# Altium PCB HV_DAC_8ch-DIOT.PCBDOC (part 2 of 11)
Units mm, origin at the board's own origin, x right, y up, seen from the top; angles counter-clockwise.
Board outline 222.63 x 100.1 mm, 8 copper layers (L1, L2, L3, P4, L5, L6, P7, L8), stack 1.563 mm thick; 971 components, 607 nets, 3066 pads, 1424 vias.
Unrouted connection lines stored in the file: 1.
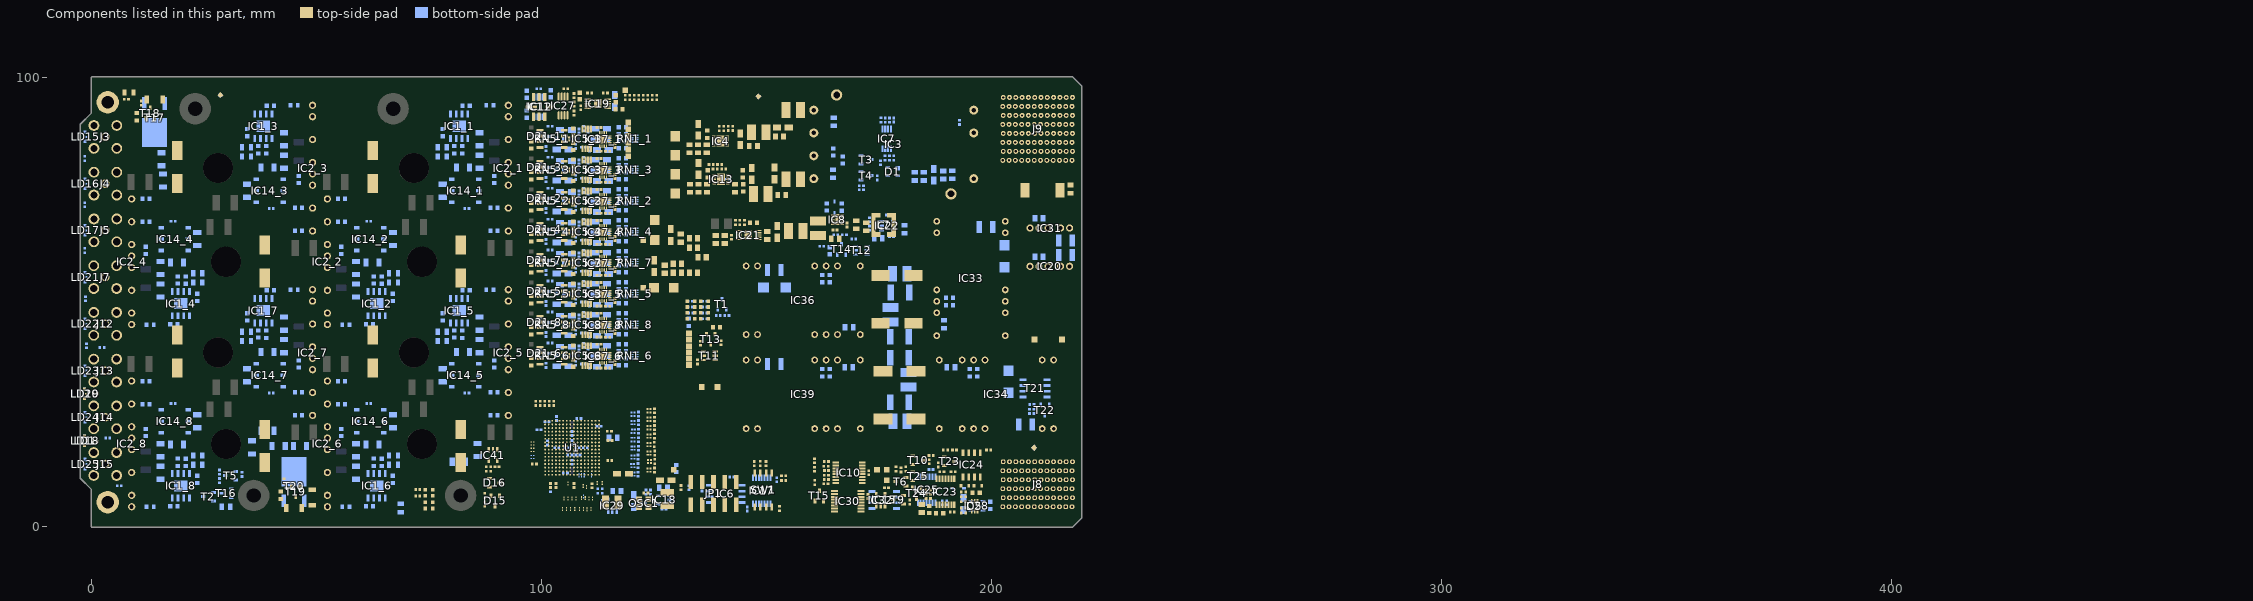
[diagram p8: the components of this part, seen from the top]

## Components (designator, comment, footprint, x,y, rotation, side; value= is the part's Value field where it differs from the comment) (continued)
C114 "1uF" CAPC1608X87N 130,13 r90 bottom
C115 "100nF" CAPC1005X55N 101.2,23.4 r0 bottom
C116 "100nF" CAPC1005X55N 172.593,6.764 r90 top
C117 "1uF" CAPC1608X87N 144.8,75.4 r90 top
C118 "10uF" CAPMP3216X180N 134.9,79.6 r270 top
C119 "10uF" CAPC2012X145N 133.8,64.2 r0 top
C120 "10uF" CAPC2012X145N 131,64.2 r270 top
C121 "22uF" CAPC2012X135N 174.871,64.216 r180 bottom
C122 "100nF" CAPC1005X55N 110.7,96.5 r180 top
C123 "22uF" CAPC2012X135N 180.696,66.191 r270 bottom
C124 "1uF" CAPMP3216X180N 128.7,64.9 r270 top
C125 "4.7uF" CAPAE9383X100M#1 179.6,34.6 r180 top locked
C126 "100nF" CAPC1005X55N 105.4,97.4 r180 top
C127 "4.7uF" CAPAE9383X100M#1 179.6,24 r180 top locked
C128 "4.7uF" CAPAE9383X100M#1 19,80 r90 top
C129 "4.7uF" CAPAE9383X100M#1 38.5,59 r270 top
C130 "4.7uF" CAPAE9383X100M#1 62.5,39 r90 top
C131 "4.7uF" CAPAE9383X100M#1 82,18 r270 top
C132 "470nF" CAPC4532X185N 179.6,37.6 r0 bottom
C133 "470nF" CAPC4532X185N 179.6,27.7 r0 bottom
C134 "10uF" CAPMP6032X280N 202.9,60.2 r270 bottom
C135 "47uF" CAPC3225X270N 198.8,66.7 r0 bottom
C136 "4.7nF" CAPC2012X135N 189.48,45.05 r270 bottom
C137 "47uF" CAPC3225X270N 207.6,22.8 r0 bottom
C138_1 "10uF" CAPMP3216X180N 113.634,83.796 r180 bottom (schematic designator C138)
C138_2 "10uF" CAPMP3216X180N 113.634,70.023 r180 bottom (schematic designator C138)
C138_3 "10uF" CAPMP3216X180N 113.634,76.91 r180 bottom (schematic designator C138)
C138_4 "10uF" CAPMP3216X180N 113.634,63.137 r180 bottom (schematic designator C138)
C138_5 "10uF" CAPMP3216X180N 113.634,49.364 r180 bottom (schematic designator C138)
C138_6 "10uF" CAPMP3216X180N 113.634,35.59 r180 bottom (schematic designator C138)
C138_7 "10uF" CAPMP3216X180N 113.634,56.25 r180 bottom (schematic designator C138)
C138_8 "10uF" CAPMP3216X180N 113.634,42.477 r180 bottom (schematic designator C138)
C139 "10uF" CAPC1608X80N 108.5,95.8 r90 top
C140 "10uF" CAPC1608X80N 116.5,95.2 r90 top
C141 "10uF" CAPMP3216X180N 116.3,94.7 r90 bottom
C142_1 "100nF" CAPC1005X55N 110.667,84.017 r90 bottom (schematic designator C142)
C142_2 "100nF" CAPC1005X55N 110.667,70.244 r90 bottom (schematic designator C142)
C142_3 "100nF" CAPC1005X55N 110.667,77.131 r90 bottom (schematic designator C142)
C142_4 "100nF" CAPC1005X55N 110.667,63.358 r90 bottom (schematic designator C142)
C142_5 "100nF" CAPC1005X55N 110.667,49.584 r90 bottom (schematic designator C142)
C142_6 "100nF" CAPC1005X55N 110.667,35.811 r90 bottom (schematic designator C142)
C142_7 "100nF" CAPC1005X55N 110.667,56.471 r90 bottom (schematic designator C142)
C142_8 "100nF" CAPC1005X55N 110.667,42.698 r90 bottom (schematic designator C142)
C143_1 "100nF" CAPC1005X55N 110.311,88.245 r90 bottom (schematic designator C143)
C143_2 "100nF" CAPC1005X55N 110.311,74.472 r90 bottom (schematic designator C143)
C143_3 "100nF" CAPC1005X55N 110.311,81.358 r90 bottom (schematic designator C143)
C143_4 "100nF" CAPC1005X55N 110.311,67.585 r90 bottom (schematic designator C143)
C143_5 "100nF" CAPC1005X55N 110.311,53.812 r90 bottom (schematic designator C143)
C143_6 "100nF" CAPC1005X55N 110.311,40.039 r90 bottom (schematic designator C143)
C143_7 "100nF" CAPC1005X55N 110.311,60.698 r90 bottom (schematic designator C143)
C143_8 "100nF" CAPC1005X55N 110.311,46.925 r90 bottom (schematic designator C143)
C144 "4.7nF" CAPC2012X135N 191,35.5 r180 bottom
C149 "1uF" CAPC1608X87N 96.7,91.8 r270 bottom
C150 "10uF" CAPMP6032X280N 151.8,53.2 r0 bottom
C151 "47uF" CAPC3225X270N 151.7,57.1 r180 bottom
C152 "100nF" CAPC1005X55N 107.2,92 r270 top
C153 "4.7nF" CAPC2012X135N 168.37,44.4 r0 bottom
C154_1 "100nF" CAPC1005X55N 108.355,88.016 r270 bottom (schematic designator C154)
C154_2 "100nF" CAPC1005X55N 108.355,74.243 r270 bottom (schematic designator C154)
C154_3 "100nF" CAPC1005X55N 108.355,81.13 r270 bottom (schematic designator C154)
C154_4 "100nF" CAPC1005X55N 108.355,67.356 r270 bottom (schematic designator C154)
C154_5 "100nF" CAPC1005X55N 108.355,53.583 r270 bottom (schematic designator C154)
C154_6 "100nF" CAPC1005X55N 108.355,39.81 r270 bottom (schematic designator C154)
C154_7 "100nF" CAPC1005X55N 108.355,60.47 r270 bottom (schematic designator C154)
C154_8 "100nF" CAPC1005X55N 108.355,46.697 r270 bottom (schematic designator C154)
C155 "22uF" CAPC2012X135N 134.9,75.3 r90 top
C156 "10uF" CAPMP6032X280N 203.8,32.3 r90 bottom
C157 "47uF" CAPC3225X270N 151.7,36.2 r180 bottom
C158 "4.7nF" CAPC2012X135N 168.31,35.5 r0 bottom
C160 "4.7uF" CAPAE9383X100M#2 179,45.3 r180 top
C161 "4.7uF" CAPAE9383X100M#2 179,55.9 r180 top
C162 "4.7uF" CAPAE9383X100M#1 62.5,80 r270 top
C163 "470nF" CAPC4532X185N 179.6,42.3 r180 bottom
C164 "470nF" CAPC4532X185N 179.7,52.1 r180 bottom
C165 "4.7uF" CAPAE9383X100M#1 82,59 r90 top
C166 "4.7uF" CAPAE9383X100M#1 38.5,18 r90 top
C167 "10uF" CAPC1608X80N 102,96.3 r90 bottom
C168 "4.7uF" CAPAE9383X100M#1 19,39 r270 top
C170 "100nF" CAPC1005X55N 90.1,13.4 r0 top
C257 "1uF" CAPC1005X55N 127.25,4 r180 bottom
C258 "10uF" CAPC2012X135N 127.1,8.75 r180 bottom
D1 "PRTR5V0U2X" SOT190P230X110-4N 178.086,79.013 r180 bottom
D3 "CDBU0520-HF" SOD-523F 194.1,9.2 r0 top
D4 "BAT165" SOD2512X110N 165.136,71.063 r270 bottom
D5 "PESD3V3L5UY" SOT65P210X110-6N 196.3,4.6 r270 top
D6 "P6SMB33A" DIOM5436X261N 127.2,53.2 r0 top
D7 "BAT165" SOD2512X110N 192.6,8.6 r0 bottom
D8 "SMBJ12A" DIOM5336X265N 129.7,76.3 r270 top
D9 "SMBJ12A" DIOM5336X265N 129.7,84.75 r90 top
D10 "P6SMB33A" DIOM5436X261N 125.2,66 r270 top
D11 "BZV55-B8V2" DIOMELF3515N 14,95 r0 top
D12 "BZV55-B8V2" DIOMELF3515N 49.017,6.532 r90 top
D13 "BZV55-B8V2" DIOMELF3515N 45,4.25 r0 top
D15 "BZX84C4V7" SOT95P240X130-3N 89.7,5.8 r270 top
D16 "BZX84C4V7" SOT95P240X130-3N 89.6,9.8 r0 top
D17 "CDBU0520-HF" SOD-523F 197,9.2 r180 top
D21_1 "BAV199" SOT95P240X110-3N 100.592,86.819 r0 bottom (schematic designator D21)
D21_2 "BAV199" SOT95P240X110-3N 100.592,73.046 r0 bottom (schematic designator D21)
D21_3 "BAV199" SOT95P240X110-3N 100.592,79.932 r0 bottom (schematic designator D21)
D21_4 "BAV199" SOT95P240X110-3N 100.592,66.159 r0 bottom (schematic designator D21)
D21_5 "BAV199" SOT95P240X110-3N 100.592,52.386 r0 bottom (schematic designator D21)
D21_6 "BAV199" SOT95P240X110-3N 100.592,38.613 r0 bottom (schematic designator D21)
D21_7 "BAV199" SOT95P240X110-3N 100.592,59.273 r0 bottom (schematic designator D21)
D21_8 "BAV199" SOT95P240X110-3N 100.592,45.5 r0 bottom (schematic designator D21)
FTG1 "Use only in PCB" FIDUCIAL_TOP_C100-200 28.6,96 r90 bottom
FTG2 "Use only in PCB" FIDUCIAL_TOP_S100-200 28.6,96 r90 top
FTG3 "Use only in PCB" FIDUCIAL_TOP_S100-200 209.5,17.6 r90 top
FTG4 "Use only in PCB" FIDUCIAL_TOP_S100-200 209.5,17.6 r90 bottom
FTG5 "Use only in PCB" FIDUCIAL_TOP_S100-200 148.2,95.7 r90 bottom
FTG6 "Use only in PCB" FIDUCIAL_TOP_S100-200 148.2,95.7 r90 top
IC1_1 "OPA455IDDA" SOIC127P600X170-9N-R249X300 81.665,89.086 r90 bottom (schematic designator IC1)
IC1_2 "OPA455IDDA" SOIC127P600X170-9N-R249X300 63.335,49.66 r270 bottom (schematic designator IC1)
IC1_3 "OPA455IDDA" SOIC127P600X170-9N-R249X300 38.165,89.086 r90 bottom (schematic designator IC1)
IC1_4 "OPA455IDDA" SOIC127P600X170-9N-R249X300 19.835,49.66 r270 bottom (schematic designator IC1)
IC1_5 "OPA455IDDA" SOIC127P600X170-9N-R249X300 81.665,48.086 r90 bottom (schematic designator IC1)
IC1_6 "OPA455IDDA" SOIC127P600X170-9N-R249X300 63.335,9.16 r270 bottom (schematic designator IC1)
IC1_7 "OPA455IDDA" SOIC127P600X170-9N-R249X300 38.165,48.086 r90 bottom (schematic designator IC1)
IC1_8 "OPA455IDDA" SOIC127P600X170-9N-R249X300 19.835,9.16 r270 bottom (schematic designator IC1)
IC2_1 "PA95" APEX_PA95_hflip 92.611,79.776 r90 top locked (schematic designator IC2)
IC2_2 "PA95" APEX_PA95_hflip 52.389,58.97 r270 top locked (schematic designator IC2)
IC2_3 "PA95" APEX_PA95_hflip 49.111,79.776 r90 top locked (schematic designator IC2)
IC2_4 "PA95" APEX_PA95_hflip 8.889,58.97 r270 top locked (schematic designator IC2)
IC2_5 "PA95" APEX_PA95_hflip 92.611,38.776 r90 top locked (schematic designator IC2)
IC2_6 "PA95" APEX_PA95_hflip 52.389,18.47 r270 top locked (schematic designator IC2)
IC2_7 "PA95" APEX_PA95_hflip 49.111,38.776 r90 top locked (schematic designator IC2)
IC2_8 "PA95" APEX_PA95_hflip 8.889,18.47 r270 top locked (schematic designator IC2)
IC3 "CC10-1212DF-E" CC10-1212DF-E 191.008,74.052 r180 top
IC4 "LT3094EDD#PBF" SON45P300X300X80-13N-R175X248 139.8,85.8 r180 top
IC5_1 "OPA2197IDGKR" SOP65P490X110-8N 110.059,86.279 r90 top (schematic designator IC5)
IC5_2 "OPA2197IDGKR" SOP65P490X110-8N 110.059,72.506 r90 top (schematic designator IC5)
IC5_3 "OPA2197IDGKR" SOP65P490X110-8N 110.059,79.392 r90 top (schematic designator IC5)
IC5_4 "OPA2197IDGKR" SOP65P490X110-8N 110.059,65.619 r90 top (schematic designator IC5)
IC5_5 "OPA2197IDGKR" SOP65P490X110-8N 110.059,51.846 r90 top (schematic designator IC5)
IC5_6 "OPA2197IDGKR" SOP65P490X110-8N 110.059,38.073 r90 top (schematic designator IC5)
IC5_7 "OPA2197IDGKR" SOP65P490X110-8N 110.059,58.733 r90 top (schematic designator IC5)
IC5_8 "OPA2197IDGKR" SOP65P490X110-8N 110.059,44.959 r90 top (schematic designator IC5)
IC6 "AT25SF081B-SHB" SOIC127P790X216-8N 140.989,7.341 r0 bottom
IC7 "LM75AIMM/NOPB" SOP65P490X109-8N 176.735,86.294 r90 bottom
IC8 "TPS62175DQC" SON50P200X300X80-11N-R94X250 165.788,68.332 r180 top
IC10 "SC18IS602B" SOP65P640X110-16N 168.339,12.054 r180 top
IC11 "LTC6655BHMS8-5#PBF" SOP65P490X110-8N 99.4,93.4 r90 bottom
IC12 "LTC6655BHLS8-5#PBF" 8-CLCC 99.7,93.4 r0 top
IC13 "LT3045EDD#PBF" SON50P300X300X80-11N-R175X248 139.9,77.3 r180 top
IC14_1 "AQV224NS" PANASONIC_AQV22(SOP) 83.067,74.732 r180 bottom (schematic designator IC14)
IC14_2 "AQV224NS" PANASONIC_AQV22(SOP) 61.933,64.014 r0 bottom (schematic designator IC14)
IC14_3 "AQV224NS" PANASONIC_AQV22(SOP) 39.567,74.732 r180 bottom (schematic designator IC14)
IC14_4 "AQV224NS" PANASONIC_AQV22(SOP) 18.433,64.014 r0 bottom (schematic designator IC14)
IC14_5 "AQV224NS" PANASONIC_AQV22(SOP) 83.067,33.732 r180 bottom (schematic designator IC14)
IC14_6 "AQV224NS" PANASONIC_AQV22(SOP) 61.933,23.514 r0 bottom (schematic designator IC14)
IC14_7 "AQV224NS" PANASONIC_AQV22(SOP) 39.567,33.732 r180 bottom (schematic designator IC14)
IC14_8 "AQV224NS" PANASONIC_AQV22(SOP) 18.433,23.514 r0 bottom (schematic designator IC14)
IC15 "24AA02E48-I/SN" SOIC127P600X175-8N 176.171,5.999 r180 bottom
IC17 "74HC4066PW" SOP65P640X110-14N 148.946,8.052 r270 bottom
IC18 "TLV62565DBVT" SOT95P280X145-5N 127.25,6 r180 bottom
IC19 "LT3042EMSE#PBF" SOP50P490X110-11N-R168X198 112.5,94.1 r0 top
IC20 "TRN 3-1215" DCDC_TRACO_TRN3 213,57.8 r180 top
IC21 "LT3042EMSE#PBF" SOP50P490X110-11N-R168X198 146,64.9 r180 top
IC22 "AP62201WU-7" SOT95P280X100-6N 176.906,66.966 r180 bottom
IC23 "74HC4066PW" SOP65P640X110-14N 189.8,7.8 r270 top
IC24 "TLC555ID" SOIC127P600X175-8N 195.6,13.8 r90 top
IC25 "74HC4066PW" SOP65P640X110-14N 185.6,8.3 r90 bottom
IC27 "ADA4528-2ARMZ-RL" ADI-RM-8_N 104.8,93.6 r270 top
IC28 "MIC5219-3.3YM5" SOT95P280X145-5N 196.8,4.7 r180 bottom
IC29 "TLV62565DBVT" SOT95P280X145-5N 115.75,4.75 r90 bottom
IC30 "SC18IS606PWJ" SOP65P640X110-16N 168.097,5.74 r0 top
IC31 "TRN 3-1215" DCDC_TRACO_TRN3 213,66.3 r180 top
IC32 "24AA02E48T-I/OT" SOT95P280X145-5N 175.385,5.952 r90 top
IC33 "R12-100B" DCDC_RECOM_Rxx-B 195.48,56.51 r270 top
IC34 "R12-100B" DCDC_RECOM_Rxx-B 202.4,29.5 r180 top locked
IC36 "R12-100B" DCDC_RECOM_Rxx-B 156.91,50.4 r0 top locked
IC37_1 "AD5542ABCPZ-REEL7" QFN50P300X300X80-17N-S175 113.685,86.168 r90 top (schematic designator IC37)
IC37_2 "AD5542ABCPZ-REEL7" QFN50P300X300X80-17N-S175 113.685,72.395 r90 top (schematic designator IC37)
IC37_3 "AD5542ABCPZ-REEL7" QFN50P300X300X80-17N-S175 113.685,79.281 r90 top (schematic designator IC37)
IC37_4 "AD5542ABCPZ-REEL7" QFN50P300X300X80-17N-S175 113.685,65.508 r90 top (schematic designator IC37)
IC37_5 "AD5542ABCPZ-REEL7" QFN50P300X300X80-17N-S175 113.685,51.735 r90 top (schematic designator IC37)
IC37_6 "AD5542ABCPZ-REEL7" QFN50P300X300X80-17N-S175 113.685,37.962 r90 top (schematic designator IC37)
IC37_7 "AD5542ABCPZ-REEL7" QFN50P300X300X80-17N-S175 113.685,58.621 r90 top (schematic designator IC37)
IC37_8 "AD5542ABCPZ-REEL7" QFN50P300X300X80-17N-S175 113.685,44.848 r90 top (schematic designator IC37)
IC39 "R12-100B" DCDC_RECOM_Rxx-B 156.91,29.5 r0 top locked
IC41 "AP2151WG-7" SOT23-5 89.2,16 r270 top
J3 "SMC" JOHNSON_131-6701-341 3.04,86.71 r180 top
J4 "SMC" JOHNSON_131-6701-341 3.04,76.323 r180 top
J5 "SMC" JOHNSON_131-6701-341 3.04,65.936 r180 top
J7 "SMC" JOHNSON_131-6701-341 3,55.548 r180 top
J8 "P1" AMPHENOL_10052825-101LF 210.289,9.5 r90 top locked
J9 "P6" AMPHENOL_10052838-101LF 210.289,88.5 r90 top locked
J12 "SMC" JOHNSON_131-6701-341 3,45.161 r180 top
J13 "SMC" JOHNSON_131-6701-341 3,34.774 r180 top
J14 "SMC" JOHNSON_131-6701-341 3,24.387 r180 top
J15 "SMC" JOHNSON_131-6701-341 3,14 r180 top
JP1 "PLTD10S" PLTD10S 143.31,10.009 r180 top
L1 "2.2uH" IND_MURATA_LQH44PN_P0 115.6,5.505 r0 top
L2_1 "600R@100MHz" INDC1005X55N 101.904,89.09 r0 bottom (schematic designator L2)
L2_2 "600R@100MHz" INDC1005X55N 101.904,75.317 r0 bottom (schematic designator L2)
L2_3 "600R@100MHz" INDC1005X55N 101.904,82.204 r0 bottom (schematic designator L2)
L2_4 "600R@100MHz" INDC1005X55N 101.904,68.43 r0 bottom (schematic designator L2)
L2_5 "600R@100MHz" INDC1005X55N 101.904,54.657 r0 bottom (schematic designator L2)
L2_6 "600R@100MHz" INDC1005X55N 101.904,40.884 r0 bottom (schematic designator L2)
L2_7 "600R@100MHz" INDC1005X55N 101.904,61.544 r0 bottom (schematic designator L2)
L2_8 "600R@100MHz" INDC1005X55N 101.904,47.771 r0 bottom (schematic designator L2)
L3 "10uH" IND_MURATA-PS_8400 161.463,66.407 r270 top
L4 "10uH" IND_MURATA-PS_8400 156.54,65.795 r180 top
L5 "4.7uH" IND_BOURNS_SRU8043 211.4,74.9 r180 top
L6 "4.7uH" INDC2012X145N 133.8,56.5 r180 top
L7 "3.3uH" IND_WURTH_WE-TPC_4828 176.055,67.159 r180 top
L8 "4.7uH" INDC2012X145N 130.2,56.5 r180 top
L9 "4.7uH" INDC2012X145N 135.7,60 r180 top
L10 "10uH" IND_MURATA-PS_8400 156,77.3 r180 top
L11 "10uH" IND_MURATA-PS_8400 148.75,74 r180 top
L12 "10uH" IND_MURATA-PS_8400 156,92.7 r180 top
L13 "10uH" IND_MURATA-PS_8400 148.25,87.75 r180 top
L14 "4.7uH" INDC2012X145N 133.8,62.1 r180 top
L15 "2.2uH" IND_MURATA_LQH44PN_P0 127.991,6.22 r90 top
L16_1 "600R@100MHz" INDC1005X55N 109.267,84.417 r0 bottom (schematic designator L16)
L16_2 "600R@100MHz" INDC1005X55N 109.267,70.643 r0 bottom (schematic designator L16)
L16_3 "600R@100MHz" INDC1005X55N 109.267,77.53 r0 bottom (schematic designator L16)
L16_4 "600R@100MHz" INDC1005X55N 109.267,63.757 r0 bottom (schematic designator L16)
L16_5 "600R@100MHz" INDC1005X55N 109.267,49.984 r0 bottom (schematic designator L16)
L16_6 "600R@100MHz" INDC1005X55N 109.267,36.21 r0 bottom (schematic designator L16)
L16_7 "600R@100MHz" INDC1005X55N 109.267,56.87 r0 bottom (schematic designator L16)
L16_8 "600R@100MHz" INDC1005X55N 109.267,43.097 r0 bottom (schematic designator L16)
L17 "10uH" IND_MURATA-PS_8400 181.6,32.7 r270 bottom
L18_1 "600R@100MHz" INDC1005X55N 100.989,84.112 r90 bottom (schematic designator L18)
L18_2 "600R@100MHz" INDC1005X55N 100.989,70.339 r90 bottom (schematic designator L18)
L18_3 "600R@100MHz" INDC1005X55N 100.989,77.225 r90 bottom (schematic designator L18)
L18_4 "600R@100MHz" INDC1005X55N 100.989,63.452 r90 bottom (schematic designator L18)
L18_5 "600R@100MHz" INDC1005X55N 100.989,49.679 r90 bottom (schematic designator L18)
L18_6 "600R@100MHz" INDC1005X55N 100.989,35.906 r90 bottom (schematic designator L18)
L18_7 "600R@100MHz" INDC1005X55N 100.989,56.565 r90 bottom (schematic designator L18)
L18_8 "600R@100MHz" INDC1005X55N 100.989,42.792 r90 bottom (schematic designator L18)
L19 "10uH" IND_MURATA-PS_8400 179.7,23.5 r180 bottom
L21 "10uH" IND_MURATA-PS_8400 177.6,47.2 r90 bottom
L22 "10uH" IND_MURATA-PS_8400 179.6,56.3 r0 bottom
LD1 "Green" LED_AVAGO_HSME-C120 -1.6,19.193 r270 bottom
LD2 "Green" LED_KINGBRIGHT_KPH-1608CGCKr 75,6.9 r180 top
LD3 "Green" LED_KINGBRIGHT_KPH-1608CGCKr 75,4.1 r180 top
LD4 "Green" LED_KINGBRIGHT_KPH-1608CGCK 136.2,50.2 r0 top
LD5 "Green" LED_KINGBRIGHT_KPH-1608CGCK 133.2,48.9 r180 top
LD6 "Green" LED_KINGBRIGHT_KPH-1608CGCK 133.2,50.2 r0 top
LD7 "Green" LED_KINGBRIGHT_KPH-1608CGCKr 75,8.3 r180 top
LD8 "Green" LED_KINGBRIGHT_KPH-1608CGCK 136.2,48.9 r0 top
LD9 "Green" LED_KINGBRIGHT_KPH-1608CGCKr 75,5.5 r180 top
LD10 "Green" LED_KINGBRIGHT_KPH-1608CGCK 133.2,47.6 r180 top
LD11 "Green" LED_KINGBRIGHT_KPH-1608CGCK 136.2,46.3 r0 top
LD13 "Green" LED_KINGBRIGHT_KPH-1608CGCK 133.2,46.3 r180 top
LD14 "Green" LED_KINGBRIGHT_KPH-1608CGCK 136.2,47.6 r0 top
LD15 "Green" LED_AVAGO_HSME-C120 -1.5,86.71 r270 bottom
LD16 "Green" LED_AVAGO_HSME-C120 -1.5,76.323 r270 bottom
LD17 "Green" LED_AVAGO_HSME-C120 -1.5,65.936 r270 bottom
LD18 "Green" LED_AVAGO_HSME-C120 -1.6,19.193 r90 top
LD19 "Red" LED_AVAGO_HSMC-C120 -1.6,29.58 r270 bottom
LD20 "Red" LED_AVAGO_HSMC-C120 -1.6,29.58 r90 top
LD21 "Green" LED_AVAGO_HSME-C120 -1.5,55.548 r270 bottom
LD22 "Green" LED_AVAGO_HSME-C120 -1.5,45.161 r270 bottom
LD23 "Green" LED_AVAGO_HSME-C120 -1.5,34.774 r270 bottom
LD24 "Green" LED_AVAGO_HSME-C120 -1.5,24.387 r270 bottom
LD25 "Green" LED_AVAGO_HSME-C120 -1.5,14 r270 bottom
OSC1 "25MHz" OSC_IQD_CFPS-39 122.71,5.305 r90 top
R1 "0" RESC1005X40N 118.6,95.48 r270 top
R2_1 "30" RESC1608X55N 97.755,84.952 r270 top (schematic designator R2)
R2_2 "30" RESC1608X55N 97.755,71.179 r270 top (schematic designator R2)
R2_3 "30" RESC1608X55N 97.755,78.066 r270 top (schematic designator R2)
R2_4 "30" RESC1608X55N 97.755,64.292 r270 top (schematic designator R2)
R2_5 "30" RESC1608X55N 97.755,50.519 r270 top (schematic designator R2)
R2_6 "30" RESC1608X55N 97.755,36.746 r270 top (schematic designator R2)
R2_7 "30" RESC1608X55N 97.755,57.406 r270 top (schematic designator R2)
R2_8 "30" RESC1608X55N 97.755,43.633 r270 top (schematic designator R2)
R3 "0" RESC1005X40N 190.1,5.4 r270 bottom
R4 "0" RESC1005X40N 119.6,95.48 r270 top
R5 "0" RESC1005X40N 121.6,95.48 r270 top
R6 "0" RESC1005X40N 123.6,95.48 r270 top
R7 "Undefined" RESC1608X55N 166.93,81.593 r270 bottom
R8 "0" RESC1005X40N 192.913,89.934 r270 bottom
R9_1 "1k47" RESC1608X55N 107.102,87.797 r270 top (schematic designator R9)
R9_2 "1k47" RESC1608X55N 107.102,74.024 r270 top (schematic designator R9)
R9_3 "1k47" RESC1608X55N 107.102,80.91 r270 top (schematic designator R9)
R9_4 "1k47" RESC1608X55N 107.102,67.137 r270 top (schematic designator R9)
R9_5 "1k47" RESC1608X55N 107.102,53.364 r270 top (schematic designator R9)
R9_6 "1k47" RESC1608X55N 107.102,39.591 r270 top (schematic designator R9)
R9_7 "1k47" RESC1608X55N 107.102,60.251 r270 top (schematic designator R9)
R9_8 "1k47" RESC1608X55N 107.102,46.477 r270 top (schematic designator R9)
R10 "0" RESC1005X40N 125.6,95.48 r270 top
R11_1 "1k69" RESC1608X55N 107.102,84.622 r270 top (schematic designator R11)
R11_2 "1k69" RESC1608X55N 107.102,70.849 r270 top (schematic designator R11)
R11_3 "1k69" RESC1608X55N 107.102,77.735 r270 top (schematic designator R11)
R11_4 "1k69" RESC1608X55N 107.102,63.962 r270 top (schematic designator R11)
R11_5 "1k69" RESC1608X55N 107.102,50.189 r270 top (schematic designator R11)
R11_6 "1k69" RESC1608X55N 107.102,36.416 r270 top (schematic designator R11)
R11_7 "1k69" RESC1608X55N 107.102,57.076 r270 top (schematic designator R11)
R11_8 "1k69" RESC1608X55N 107.102,43.303 r270 top (schematic designator R11)
R12 "0" RESC1005X40N 122.6,95.48 r270 top
R13 "0" RESC1005X40N 172.733,12.066 r90 top
R14 "0" RESC1005X40N 124.6,95.48 r270 top
R15 "0" RESC1005X40N 163.322,10.541 r180 top
R16_1 "0" RESC1608X55N 89.453,65.806 r180 bottom (schematic designator R16)
R16_2 "0" RESC1608X55N 55.547,72.94 r0 bottom (schematic designator R16)
R16_3 "0" RESC1608X55N 45.953,65.806 r180 bottom (schematic designator R16)
R16_4 "0" RESC1608X55N 12.047,72.94 r0 bottom (schematic designator R16)
R16_5 "0" RESC1608X55N 89.453,24.806 r180 bottom (schematic designator R16)
R16_6 "0" RESC1608X55N 55.547,32.44 r0 bottom (schematic designator R16)
R16_7 "0" RESC1608X55N 45.953,24.806 r180 bottom (schematic designator R16)
R16_8 "0" RESC1608X55N 12.047,32.44 r0 bottom (schematic designator R16)
R17 "33k" RESC1005X40N 135.325,40.85 r270 top
R18 "75k" RESC1005X40N 142.5,88.6 r270 top
R19 "36k" RESC1608X55N 164.811,83.388 r270 bottom
R20 "10k" RESC1005X40N 136.3,50.2 r180 bottom
R21 "10k" RESC1005X40N 133.1,48.9 r0 bottom
R22 "1k" RESC1005X40N 140,89.1 r180 top
R23 "33k" RESC1005X40N 169.4,64 r0 bottom
R24 "33k" RESC1005X40N 165.408,64.982 r180 bottom
R25 "120k" RESC1608X55N 136.9,78.5 r90 top
R26 "330" RESC1005X40N 140.5,79.6 r0 top
R27 "10k" RESC1005X40N 140,88.1 r0 top
R28 "5k1" RESC1005X40N 167.333,64.982 r180 bottom
R29 "2k4" RESC1005X40N 136.3,48.9 r0 bottom
R30 "240" RESC1005X40N 28.4,10.3 r270 bottom
R31 "2k2" RESC1005X40N 148.615,14.122 r270 top
R32 "120k" RESC1608X55N 136.8,87.3 r270 top
R33 "1k" RESC1005X40N 149.911,14.097 r270 top
R34_1 "100k" RESC1608X55N 82.353,83.846 r270 bottom (schematic designator R34)
R34_2 "100k" RESC1608X55N 62.647,54.9 r90 bottom (schematic designator R34)
R34_3 "100k" RESC1608X55N 38.853,83.846 r270 bottom (schematic designator R34)
R34_4 "100k" RESC1608X55N 19.147,54.9 r90 bottom (schematic designator R34)
R34_5 "100k" RESC1608X55N 82.353,42.846 r270 bottom (schematic designator R34)
R34_6 "100k" RESC1608X55N 62.647,14.4 r90 bottom (schematic designator R34)
R34_7 "100k" RESC1608X55N 38.853,42.846 r270 bottom (schematic designator R34)
R34_8 "100k" RESC1608X55N 19.147,14.4 r90 bottom (schematic designator R34)
R35 "1k" RESC1005X40N 152.9,4.1 r90 top
R36 "2k2" RESC1005X40N 98.71,27.48 r270 top
R37 "120" RESC1005X40N 121.551,19.399 r270 bottom
R38 "1k" RESC1005X40N 141.5,88.6 r90 top
R39 "2k2" RESC1005X40N 160.655,14.707 r90 top
R40 "0" RESC1005X40N 163.322,11.506 r180 top
R41 "0" RESC1005X40N 163.25,13.5 r0 top
R42 "0" RESC1005X40N 132.766,8.738 r270 bottom
R43 "10k" RESC1005X40N 163.322,14.529 r0 top
R44 "0" RESC1005X40N 160.731,9.881 r270 top
R45 "0" RESC1005X40N 163.22,9.601 r180 top
R46 "2k2" RESC1005X40N 160.655,12.827 r270 top
R47 "2k2" RESC1005X40N 147.295,14.097 r270 top
R48 "2k2" RESC1005X40N 141.2,77.3 r0 bottom
R49 "2k2" RESC1005X40N 153.822,10.363 r0 top
R50 "2k2" RESC1005X40N 153.822,11.379 r0 top
R51 "5k1" RESC1005X40N 131,8.75 r90 top
R52 "10k" RESC1005X40N 33.4,11.7 r90 bottom
R53 "2k2" RESC1005X40N 99.71,27.48 r270 top
R54 "1k" RESC1005X40N 136.3,47.6 r0 bottom
R55 "240" RESC1005X40N 28.4,12.2 r270 bottom
R56 "24k" RESC1608X55N 163.411,71.138 r90 bottom
R57 "1k" RESC1005X40N 139.6,80.6 r0 top
R58_1 "51k" RESC2012X60N 77.924,82.352 r0 bottom (schematic designator R58)
R58_2 "51k" RESC2012X60N 67.076,56.394 r180 bottom (schematic designator R58)
R58_3 "51k" RESC2012X60N 34.424,82.352 r0 bottom (schematic designator R58)
R58_4 "51k" RESC2012X60N 23.576,56.394 r180 bottom (schematic designator R58)
R58_5 "51k" RESC2012X60N 77.924,41.352 r0 bottom (schematic designator R58)
R58_6 "51k" RESC2012X60N 67.076,15.894 r180 bottom (schematic designator R58)
R58_7 "51k" RESC2012X60N 34.424,41.352 r0 bottom (schematic designator R58)
R58_8 "51k" RESC2012X60N 23.576,15.894 r180 bottom (schematic designator R58)
R59 "120" RESC1005X40N 121.467,15.539 r270 bottom
R60 "10k" RESC1005X40N 152.273,10.516 r90 bottom
R61 "10k" RESC1005X40N 133.1,50.2 r0 bottom
R62_1 "10k" RESC1608X64N 88.5,93.746 r0 bottom (schematic designator R62)
R62_2 "10k" RESC1608X64N 56.5,45 r180 bottom (schematic designator R62)
R62_3 "10k" RESC1608X64N 45,93.746 r0 bottom (schematic designator R62)
R62_4 "10k" RESC1608X64N 13,45 r180 bottom (schematic designator R62)
R62_5 "10k" RESC1608X64N 88.5,52.746 r0 bottom (schematic designator R62)
R62_6 "10k" RESC1608X64N 56.5,4.5 r180 bottom (schematic designator R62)
R62_7 "10k" RESC1608X64N 45,52.746 r0 bottom (schematic designator R62)
R62_8 "10k" RESC1608X64N 13,4.5 r180 bottom (schematic designator R62)
R63 "1k" RESC1005X40N 138.6,79.6 r0 top
R64 "75k" RESC1005X40N 137.7,80.6 r0 top
R65_1 "62" RESC0603X26X15LL03T05 110.084,3.937 r270 top value=62R (schematic designator R65)
R65_2 "62" RESC0603X26X15LL03T05 112.4,9.8 r270 top value=62R (schematic designator R65)
R65_3 "62" RESC0603X26X15LL03T05 110.592,6.344 r270 top value=62R (schematic designator R65)
R65_4 "62" RESC0603X26X15LL03T05 110.025,8.925 r270 top value=62R (schematic designator R65)
R65_5 "62" RESC0603X26X15LL03T05 106.451,3.957 r270 top value=62R (schematic designator R65)
R65_6 "62" RESC0603X26X15LL03T05 105.9,9.675 r270 top value=62R (schematic designator R65)
R65_7 "62" RESC0603X26X15LL03T05 106.807,6.381 r270 top value=62R (schematic designator R65)
R65_8 "62" RESC0603X26X15LL03T05 98,17.5 r180 top value=62R (schematic designator R65)
R66_1 "62" RESC0603X26X15LL03T05 110.998,3.968 r270 top value=62R (schematic designator R66)
R66_2 "62" RESC0603X26X15LL03T05 109.5,11.5 r270 bottom value=62R (schematic designator R66)
R66_3 "62" RESC0603X26X15LL03T05 111.328,6.35 r270 top value=62R (schematic designator R66)
R66_4 "62" RESC0603X26X15LL03T05 109.28,9.089 r270 top value=62R (schematic designator R66)
R66_5 "62" RESC0603X26X15LL03T05 107.386,3.968 r270 top value=62R (schematic designator R66)
R66_6 "62" RESC0603X26X15LL03T05 98,15.2 r180 bottom value=62R (schematic designator R66)
R66_7 "62" RESC0603X26X15LL03T05 107.696,6.344 r270 top value=62R (schematic designator R66)
R66_8 "62" RESC0603X26X15LL03T05 98,18.2 r180 top value=62R (schematic designator R66)
R67_1 "0" RESC1608X55N 104.168,86.311 r180 bottom (schematic designator R67)
R67_2 "0" RESC1608X55N 104.168,72.538 r180 bottom (schematic designator R67)
R67_3 "0" RESC1608X55N 104.168,79.424 r180 bottom (schematic designator R67)
R67_4 "0" RESC1608X55N 104.168,65.651 r180 bottom (schematic designator R67)
R67_5 "0" RESC1608X55N 104.168,51.878 r180 bottom (schematic designator R67)
R67_6 "0" RESC1608X55N 104.168,38.105 r180 bottom (schematic designator R67)
R67_7 "0" RESC1608X55N 104.168,58.765 r180 bottom (schematic designator R67)
R67_8 "0" RESC1608X55N 104.168,44.992 r180 bottom (schematic designator R67)
R68 "10k" RESC1005X40N 174.611,77.613 r270 bottom
R69_1 "62" RESC0603X26X15LL03T05 109.296,4.033 r270 top value=62R (schematic designator R69)
R69_2 "62" RESC0603X26X15LL03T05 111.1,11.5 r270 bottom value=62R (schematic designator R69)
R69_3 "62" RESC0603X26X15LL03T05 109.728,6.395 r270 top value=62R (schematic designator R69)
R69_4 "62" RESC0603X26X15LL03T05 108.9,11.5 r270 bottom value=62R (schematic designator R69)
R69_5 "62" RESC0603X26X15LL03T05 105.588,3.957 r270 top value=62R (schematic designator R69)
R69_6 "62" RESC0603X26X15LL03T05 98,15.9 r180 bottom value=62R (schematic designator R69)
R69_7 "62" RESC0603X26X15LL03T05 105.918,6.356 r270 top value=62R (schematic designator R69)
R69_8 "62" RESC0603X26X15LL03T05 98,16.8 r180 top value=62R (schematic designator R69)
R70 "100k" RESC1005X40N 179.883,12.7 r90 top
R71 "120" RESC1005X40N 125.099,20.216 r270 top
R72_1 "Undefined" RESC3216X65N 78.035,74.732 r270 bottom (schematic designator R72)
R72_2 "Undefined" RESC3216X65N 66.965,64.014 r90 bottom (schematic designator R72)
R72_3 "Undefined" RESC3216X65N 34.535,74.732 r270 bottom (schematic designator R72)
R72_4 "Undefined" RESC3216X65N 23.465,64.014 r90 bottom (schematic designator R72)
R72_5 "Undefined" RESC3216X65N 78.035,33.732 r270 bottom (schematic designator R72)
R72_6 "Undefined" RESC3216X65N 66.965,23.514 r90 bottom (schematic designator R72)
R72_7 "Undefined" RESC3216X65N 34.535,33.732 r270 bottom (schematic designator R72)
R72_8 "Undefined" RESC3216X65N 23.465,23.514 r90 bottom (schematic designator R72)
R73_1 "51k" RESC2012X60N 77.924,84.396 r0 bottom (schematic designator R73)
R73_2 "51k" RESC2012X60N 67.076,54.35 r180 bottom (schematic designator R73)
R73_3 "51k" RESC2012X60N 34.424,84.396 r0 bottom (schematic designator R73)
R73_4 "51k" RESC2012X60N 23.576,54.35 r180 bottom (schematic designator R73)
R73_5 "51k" RESC2012X60N 77.924,43.396 r0 bottom (schematic designator R73)
R73_6 "51k" RESC2012X60N 67.076,13.85 r180 bottom (schematic designator R73)
R73_7 "51k" RESC2012X60N 34.424,43.396 r0 bottom (schematic designator R73)
R73_8 "51k" RESC2012X60N 23.576,13.85 r180 bottom (schematic designator R73)
R74 "10k" RESC1005X40N 180.988,12.879 r270 top
R75 "120" RESC1005X40N 121.526,25.088 r270 bottom
R76 "5k1" RESC1005X40N 141.2,47 r0 bottom
R77 "10k" RESC1005X40N 139.3,47 r0 bottom
R78 "10k" RESC1005X40N 178.778,12.878 r270 top
R79 "120" RESC1005X40N 125.157,16.429 r270 top
R80_1 "62" RESC0603X26X15LL03T05 108.433,4.033 r270 top value=62R (schematic designator R80)
R80_2 "62" RESC0603X26X15LL03T05 113.5,9.8 r270 top value=62R (schematic designator R80)
R80_3 "62" RESC0603X26X15LL03T05 108.915,6.395 r270 top value=62R (schematic designator R80)
R80_4 "62" RESC0603X26X15LL03T05 108.3,11.5 r270 bottom value=62R (schematic designator R80)
R80_5 "62" RESC0603X26X15LL03T05 104.699,3.957 r270 top value=62R (schematic designator R80)
R80_6 "62" RESC0603X26X15LL03T05 109.325,6.775 r270 bottom value=62R (schematic designator R80)
R80_7 "62" RESC0603X26X15LL03T05 105.029,6.381 r270 top value=62R (schematic designator R80)
R80_8 "62" RESC0603X26X15LL03T05 98,18.9 r180 top value=62R (schematic designator R80)
R81 "120" RESC1005X40N 125.157,14.562 r270 top
R83 "120" RESC1005X40N 125.099,12.652 r270 top
R85 "120" RESC1005X40N 121.555,17.509 r270 bottom
R86 "10k" RESC1005X40N 175.361,80.958 r90 bottom
R89 "0" RESC1005X40N 176.354,82.026 r270 bottom
R90 "0" RESC1005X40N 175.44,90.485 r270 bottom
R91 "0" RESC1005X40N 176.41,90.454 r270 bottom
R92 "0" RESC1005X40N 177.335,90.454 r270 bottom
R93 "240" RESC1005X40N 0.8,29.7 r0 top
R94 "2k2" RESC1005X40N 100.71,27.48 r270 top
R95 "120" RESC1005X40N 121.526,23.19 r270 bottom
R96 "120" RESC1005X40N 121.551,21.285 r270 bottom
R97 "120" RESC1005X40N 125.099,25.84 r270 top
R98 "120" RESC1005X40N 121.467,13.634 r270 bottom
R99 "120" RESC1005X40N 121.467,11.729 r270 bottom
R100 "3k3" RESC1608X55N 147.1,67.6 r0 top
R101 "10k" RESC1005X40N 170.636,75.413 r270 bottom
R102 "120" RESC1005X40N 125.099,23.96 r270 top
R103 "8k2" RESC1005X40N 171.586,75.413 r90 bottom
R104 "10k" RESC1005X40N 172.896,68.311 r270 bottom
R105_1 "10" RESC3216X65N 82.554,79.939 r180 bottom (schematic designator R105)
R105_2 "10" RESC3216X65N 62.446,58.807 r0 bottom (schematic designator R105)
R105_3 "10" RESC3216X65N 39.054,79.939 r180 bottom (schematic designator R105)
R105_4 "10" RESC3216X65N 18.946,58.807 r0 bottom (schematic designator R105)
R105_5 "10" RESC3216X65N 82.554,38.939 r180 bottom (schematic designator R105)
R105_6 "10" RESC3216X65N 62.446,18.307 r0 bottom (schematic designator R105)
R105_7 "10" RESC3216X65N 39.054,38.939 r180 bottom (schematic designator R105)
R105_8 "10" RESC3216X65N 18.946,18.307 r0 bottom (schematic designator R105)
R106_1 "3R6" RESC1608X55N 89.5,77.246 r90 bottom (schematic designator R106)
R106_2 "3R6" RESC1608X55N 55.5,61.5 r270 bottom (schematic designator R106)
R106_3 "3R6" RESC1608X55N 46,77.246 r90 bottom (schematic designator R106)
R106_4 "3R6" RESC1608X55N 12,61.5 r270 bottom (schematic designator R106)
R106_5 "3R6" RESC1608X55N 89.5,36.246 r90 bottom (schematic designator R106)
R106_6 "3R6" RESC1608X55N 55.5,21 r270 bottom (schematic designator R106)
R106_7 "3R6" RESC1608X55N 46,36.246 r90 bottom (schematic designator R106)
R106_8 "3R6" RESC1608X55N 12,21 r270 bottom (schematic designator R106)
R107 "120" RESC1005X40N 125.082,18.324 r270 top
R108 "100k" RESC1005X40N 181.877,5.538 r90 top
R111 "100" RESC1005X40N 103.4,17.6 r180 bottom
R112 "100" RESC1005X40N 105.3,12 r180 bottom
R113_1 "100k" RESC1608X55N 80.575,83.876 r90 bottom (schematic designator R113)
R113_2 "100k" RESC1608X55N 64.425,54.87 r270 bottom (schematic designator R113)
R113_3 "100k" RESC1608X55N 37.075,83.876 r90 bottom (schematic designator R113)
R113_4 "100k" RESC1608X55N 20.925,54.87 r270 bottom (schematic designator R113)
R113_5 "100k" RESC1608X55N 80.575,42.876 r90 bottom (schematic designator R113)
R113_6 "100k" RESC1608X55N 64.425,14.37 r270 bottom (schematic designator R113)
R113_7 "100k" RESC1608X55N 37.075,42.876 r90 bottom (schematic designator R113)
R113_8 "100k" RESC1608X55N 20.925,14.37 r270 bottom (schematic designator R113)
R114_1 "0" RESC1608X55N 89.453,70.919 r180 bottom (schematic designator R114)
R114_2 "0" RESC1608X55N 55.547,67.827 r0 bottom (schematic designator R114)
R114_3 "0" RESC1608X55N 45.953,70.919 r180 bottom (schematic designator R114)
R114_4 "0" RESC1608X55N 12.047,67.827 r0 bottom (schematic designator R114)
R114_5 "0" RESC1608X55N 89.453,29.919 r180 bottom (schematic designator R114)
R114_6 "0" RESC1608X55N 55.547,27.327 r0 bottom (schematic designator R114)
R114_7 "0" RESC1608X55N 45.953,29.919 r180 bottom (schematic designator R114)
R114_8 "0" RESC1608X55N 12.047,27.327 r0 bottom (schematic designator R114)
R115_1 "51k" RESC3216X65N 86.25,86.196 r270 bottom (schematic designator R115)
R115_2 "51k" RESC3216X65N 58.75,52.55 r90 bottom (schematic designator R115)
R115_3 "51k" RESC3216X65N 42.75,86.196 r270 bottom (schematic designator R115)
R115_4 "51k" RESC3216X65N 15.25,52.55 r90 bottom (schematic designator R115)
R115_5 "51k" RESC3216X65N 86.25,45.196 r270 bottom (schematic designator R115)
R115_6 "51k" RESC3216X65N 58.75,12.05 r90 bottom (schematic designator R115)
R115_7 "51k" RESC3216X65N 42.75,45.196 r270 bottom (schematic designator R115)
R115_8 "51k" RESC3216X65N 15.25,12.05 r90 bottom (schematic designator R115)
R116_1 "51k" RESC3216X65N 86.25,81.196 r270 bottom (schematic designator R116)
R116_2 "51k" RESC3216X65N 58.75,57.55 r90 bottom (schematic designator R116)
R116_3 "51k" RESC3216X65N 42.75,81.196 r270 bottom (schematic designator R116)
R116_4 "51k" RESC3216X65N 15.25,57.55 r90 bottom (schematic designator R116)
R116_5 "51k" RESC3216X65N 86.25,40.196 r270 bottom (schematic designator R116)
R116_6 "51k" RESC3216X65N 58.75,17.05 r90 bottom (schematic designator R116)
R116_7 "51k" RESC3216X65N 42.75,40.196 r270 bottom (schematic designator R116)
R116_8 "51k" RESC3216X65N 15.25,17.05 r90 bottom (schematic designator R116)
R117 "27k" RESC1005X40N 143.6,67.2 r180 top
R118_1 "330" RESC1005X40N 83.407,70.795 r0 bottom (schematic designator R118)
R118_2 "330" RESC1005X40N 61.593,67.951 r180 bottom (schematic designator R118)
R118_3 "330" RESC1005X40N 39.907,70.795 r0 bottom (schematic designator R118)
R118_4 "330" RESC1005X40N 18.093,67.951 r180 bottom (schematic designator R118)
R118_5 "330" RESC1005X40N 83.407,29.795 r0 bottom (schematic designator R118)
R118_6 "330" RESC1005X40N 61.593,27.451 r180 bottom (schematic designator R118)
R118_7 "330" RESC1005X40N 39.907,29.795 r0 bottom (schematic designator R118)
R118_8 "330" RESC1005X40N 18.093,27.451 r180 bottom (schematic designator R118)
R119 "22k" RESC1005X40N 72.5,6.9 r180 top
R120 "10k" RESC3216X65N 15.882,77.032 r270 bottom
R121 "200k" RESC3216X65N 81.6,14.5 r0 bottom
R122 "200k" RESC3216X65N 85.8,17.1 r90 bottom
R123 "10k" RESC3216X65N 15.55,81.757 r270 bottom
R124 "20k" RESC1608X55N 10,91.2 r270 top
R125 "22k" RESC1005X40N 72.5,8.3 r180 top
R126 "2k" RESC1005X40N 11,94.22 r270 top
R127 "1k2" RESC1608X55N 190.68,51.01 r0 bottom
R128 "200k" RESC3216X65N 39.1,21.4 r180 bottom
R129 "10k" RESC3216X65N 41.567,18.007 r180 bottom
R130 "3k3" RESC1005X40N 42.72,10.23 r270 top
R131 "200k" RESC3216X65N 35.6,17.7 r270 bottom
R132 "47k" RESC1608X55N 42.067,7.04 r90 top
R133 "10k" RESC3216X65N 46.308,18.007 r180 bottom
R134 "3k" RESC1608X55N 190.68,49.31 r0 bottom
R135 "47k" RESC1005X40N 145.1,67.7 r270 top
R136 "1k2" RESC1608X55N 196.9,34.3 r270 bottom
R137 "3k" RESC1608X55N 195.2,34.3 r270 bottom
R141 "1k2" RESC1608X55N 162.41,55.2 r270 bottom
R142 "27k" RESC1005X40N 143.6,68.2 r0 top
R143 "240" RESC1005X40N 0.7,19 r180 top
R144 "3k" RESC1608X55N 164.11,55.2 r270 bottom
R145 "33k" RESC1005X40N 139.925,40.95 r90 top
R149 "1k2" RESC1608X55N 162.41,34.3 r270 bottom
R151 "31k6" RESC1005X35N 172.896,66.441 r270 bottom
R152 "220" RESC1608X55N 132.7,45.5 r270 bottom
R153_1 "0" RESC1005X40N 114.696,83.517 r180 top (schematic designator R153)
R153_2 "0" RESC1005X40N 114.696,69.744 r180 top (schematic designator R153)
R153_3 "0" RESC1005X40N 114.696,76.63 r180 top (schematic designator R153)
R153_4 "0" RESC1005X40N 114.696,62.857 r180 top (schematic designator R153)
R153_5 "0" RESC1005X40N 114.696,49.084 r180 top (schematic designator R153)
R153_6 "0" RESC1005X40N 114.696,35.311 r180 top (schematic designator R153)
R153_7 "0" RESC1005X40N 114.696,55.971 r180 top (schematic designator R153)
R153_8 "0" RESC1005X40N 114.696,42.198 r180 top (schematic designator R153)
R154 "1k" RESC1005X40N 114.2,96.5 r0 top
R155 "5k1" RESC1005X40N 108.7,93.2 r270 top
R156 "5k1" RESC1005X40N 107.2,94 r90 top
R157 "39k" RESC1608X55N 117.2,92.9 r180 top
R158 "220" RESC1005X40N 107.2,95.9 r270 top
R159 "1k" RESC1005X40N 133.2,47.6 r180 bottom
R160 "1k" RESC1005X40N 136.3,46.3 r0 bottom
R162 "33k" RESC1005X40N 162.3,62.4 r0 bottom
R164_1 "10" RESC1005X40N 109.346,88.595 r90 bottom (schematic designator R164)
R164_2 "10" RESC1005X40N 109.346,74.822 r90 bottom (schematic designator R164)
R164_3 "10" RESC1005X40N 109.346,81.708 r90 bottom (schematic designator R164)
R164_4 "10" RESC1005X40N 109.346,67.935 r90 bottom (schematic designator R164)
R164_5 "10" RESC1005X40N 109.346,54.162 r90 bottom (schematic designator R164)
R164_6 "10" RESC1005X40N 109.346,40.389 r90 bottom (schematic designator R164)
R164_7 "10" RESC1005X40N 109.346,61.049 r90 bottom (schematic designator R164)
R164_8 "10" RESC1005X40N 109.346,47.275 r90 bottom (schematic designator R164)
R167 "2M" RESC1005X40N 209.5,25.7 r90 bottom
R168 "3k" RESC1608X55N 164.11,34.3 r270 bottom
R169 "22" RESC1005X40N 123.192,7.571 r180 top
R170 "220" RESC1005X40N 186.2,14.5 r270 top
R171 "10k" RESC1005X40N 186.6,15.9 r0 top
R172 "120" RESC1005X40N 125.099,22.083 r270 top
R173 "2k2" RESC1005X40N 101.71,27.48 r270 top
R174 "2k2" RESC1005X40N 102.71,27.48 r270 top
R175 "10k" RESC1005X40N 178.31,82.026 r270 bottom
R176 "140" RESC0603X28N#1 120.358,23.571 r0 bottom
R177 "10k" RESC1005X40N 177.335,82.026 r270 bottom
R178 "140" RESC0603X28N#1 120.383,22.835 r0 bottom
R179 "0" RESC1005X40N 99.4,97.4 r0 bottom
R180 "140" RESC0603X28N#1 120.396,21.641 r0 bottom
R181 "10k" RESC1005X40N 134.7,36.7 r270 top
R182 "140" RESC0603X28N#1 120.371,20.93 r0 bottom
R183 "10k" RESC1005X40N 191.5,12.3 r180 top
R184 "140" RESC0603X28N#1 120.383,19.838 r0 bottom
R185 "22" RESC1005X40N 193.8,3.1 r0 top
R186 "140" RESC0603X28N#1 120.371,19.025 r0 bottom
R187 "10k" RESC1005X40N 193.8,5.6 r180 top
R188 "140" RESC0603X28N#1 123.93,26.195 r0 top
R189 "140" RESC0603X28N#1 123.93,25.484 r0 top
R190 "140" RESC0603X28N#1 120.294,15.9 r0 bottom
R191 "140" RESC0603X28N#1 120.294,15.164 r0 bottom
R192 "140" RESC0603X28N#1 120.269,14.019 r0 bottom
R193 "140" RESC0603X28N#1 120.294,13.284 r0 bottom
R194 "140" RESC0603X28N#1 120.294,12.09 r0 bottom
R195 "140" RESC0603X28N#1 120.294,11.379 r0 bottom
R196 "140" RESC0603X28N#1 123.93,24.316 r0 top
R197 "140" RESC0603X28N#1 123.905,23.579 r0 top
R198 "140" RESC0603X28N#1 123.93,22.438 r0 top
R199 "140" RESC0603X28N#1 123.905,21.682 r0 top
R200 "140" RESC0603X28N#1 123.93,20.584 r0 top
R201 "10k" RESC1005X40N 208.5,25.7 r270 bottom
R202 "10k" RESC1005X40N 209,27.2 r0 bottom
R203 "140" RESC0603X28N#1 123.93,19.848 r0 top
R204 "10k" RESC1005X40N 142.291,11.125 r180 bottom
R205 "22" RESC1005X40N 193.8,4.2 r0 top
R206 "140" RESC0603X28N#1 120.345,25.451 r0 bottom
R207 "140" RESC0603X28N#1 120.345,24.714 r0 bottom
R208 "140" RESC0603X28N#1 123.888,18.68 r0 top
R209 "140" RESC0603X28N#1 123.888,17.943 r0 top
R210 "140" RESC0603X28N#1 123.912,16.81 r0 top
R211 "140" RESC0603X28N#1 123.937,16.048 r0 top
R212 "140" RESC0603X28N#1 123.963,14.93 r0 top
R213 "140" RESC0603X28N#1 123.988,14.194 r0 top
R214 "140" RESC0603X28N#1 123.93,13.007 r0 top
R215 "140" RESC0603X28N#1 123.905,12.271 r0 top
R216 "140" RESC0603X28N#1 120.383,17.907 r0 bottom
R217 "140" RESC0603X28N#1 120.383,17.17 r0 bottom
R220 "10k" RESC1005X40N 186.5,6.8 r270 top
R221 "10k" RESC1005X40N 185.5,6.8 r270 top
R222 "10k" RESC1005X40N 193.8,6.7 r180 top
R223 "2k7" RESC1608X55N 188.5,3.1 r0 top
R224 "10k" RESC1005X40N 189,12.3 r180 top
R225 "0" RESC1005X40N 189.8,17.1 r0 top
R226 "0" RESC1005X40N 188.2,13.8 r270 top
R227 "2k7" RESC1608X55N 186.2,3.9 r90 top
R228 "10k" RESC1005X40N 186,8.2 r0 top
R229 "10k" RESC1005X40N 193.8,7.8 r0 top
R230 "1M1" RESC2012X60N 8.3,96.6 r0 top
R231 "10M" RESC2113X55N 68.75,4.25 r90 bottom
R232 "10M" RESC2113X55N 29.9,4.5 r180 bottom
R233 "0" RESC1005X40N 189.1,5.4 r270 bottom
R234 "75k" RESC1005X40N 113.5,8 r90 bottom
R237 "75k" RESC1005X40N 112.5,8 r270 bottom
R272 "0" RESC1005X40N 120.6,95.48 r270 top
R274 "100" RESC1005X40N 87.4,7 r270 top
R275 "100" RESC1005X40N 87.4,5.1 r270 top
R276 "2k" RESC1005X40N 88.2,13.4 r0 top
R277 "2k" RESC1005X40N 88.2,12.4 r0 top
R278 "2k" RESC1005X40N -1.524,81.915 r270 bottom
R279 "2k" RESC1005X40N -1.524,71.628 r270 bottom
R280 "2k" RESC1005X40N -1.524,61.468 r270 bottom
R281 "2k" RESC1005X40N -1.399,50.75 r270 bottom
R282 "2k" RESC1005X40N -1.15,40.28 r270 bottom
R283 "2k" RESC1005X40N 2.3,39.9 r0 bottom
R284 "2k" RESC1005X40N 3.556,19.8 r0 bottom
R285 "2k" RESC1005X40N 6.142,9.144 r0 bottom
R297_1 "0" RESC0603X28N#2 106.103,86.271 r90 top (schematic designator R297)
R297_2 "0" RESC0603X28N#2 106.103,72.498 r90 top (schematic designator R297)
R297_3 "0" RESC0603X28N#2 106.103,79.384 r90 top (schematic designator R297)
R297_4 "0" RESC0603X28N#2 106.103,65.611 r90 top (schematic designator R297)
R297_5 "0" RESC0603X28N#2 106.103,51.838 r90 top (schematic designator R297)
R297_6 "0" RESC0603X28N#2 106.103,38.065 r90 top (schematic designator R297)
R297_7 "0" RESC0603X28N#2 106.103,58.724 r90 top (schematic designator R297)
R297_8 "0" RESC0603X28N#2 106.103,44.951 r90 top (schematic designator R297)
R381 "75k" RESC1005X40N 123.25,7.75 r90 bottom
R382 "24k" RESC1005X40N 124.25,7.75 r270 bottom
RN1_1 "100" RN_YAGEO_TC124 120.691,86.3 r0 bottom (schematic designator RN1)
RN1_2 "100" RN_YAGEO_TC124 120.691,72.527 r0 bottom (schematic designator RN1)
RN1_3 "100" RN_YAGEO_TC124 120.691,79.414 r0 bottom (schematic designator RN1)
RN1_4 "100" RN_YAGEO_TC124 120.691,65.64 r0 bottom (schematic designator RN1)
RN1_5 "100" RN_YAGEO_TC124 120.691,51.867 r0 bottom (schematic designator RN1)
RN1_6 "100" RN_YAGEO_TC124 120.691,38.094 r0 bottom (schematic designator RN1)
RN1_7 "100" RN_YAGEO_TC124 120.691,58.754 r0 bottom (schematic designator RN1)
RN1_8 "100" RN_YAGEO_TC124 120.691,44.981 r0 bottom (schematic designator RN1)
RN5_1 "10k" SOIC127P600X175-8N 102.353,86.271 r180 top (schematic designator RN5)
RN5_2 "10k" SOIC127P600X175-8N 102.353,72.498 r180 top (schematic designator RN5)
RN5_3 "10k" SOIC127P600X175-8N 102.353,79.384 r180 top (schematic designator RN5)
RN5_4 "10k" SOIC127P600X175-8N 102.353,65.611 r180 top (schematic designator RN5)
RN5_5 "10k" SOIC127P600X175-8N 102.353,51.838 r180 top (schematic designator RN5)
RN5_6 "10k" SOIC127P600X175-8N 102.353,38.065 r180 top (schematic designator RN5)
RN5_7 "10k" SOIC127P600X175-8N 102.353,58.724 r180 top (schematic designator RN5)
RN5_8 "10k" SOIC127P600X175-8N 102.353,44.951 r180 top (schematic designator RN5)
ST1 "SCHROFF_PANEL_3U_4HP - HVamp_8CH" "SCHROFF_PANEL_3U_4HP - HVAMP_8CH" 3.556,5.512 r0 top locked
SW1 "Switch" SW_TYCO_1571983-4 149.276,8.24 r90 top
T1 "BC847B" SOT95P230X110-3N 140.1,49.5 r90 bottom
T2 "BSS138LT1G" SOT95P240X110-3N 25.95,6.75 r180 bottom
T3 "BSS138LT1G" SOT95P240X110-3N 172.161,81.688 r0 bottom
T4 "BSS138LT1G" SOT95P240X110-3N 172.161,78.113 r0 bottom
T5 "BSS138LT1G" SOT95P240X110-3N 30.9,11.4 r180 bottom
T6 "BSS138LT1G" SOT95P240X110-3N 179.878,10.072 r180 top
T9 "BSS138LT1G" SOT95P240X110-3N 179.319,6.059 r180 top
T10 "BSS138LT1G" SOT95P240X110-3N 183.7,14.8 r0 top
T11 "FDC606P" SOT95P275X110-6N 137.325,38.05 r180 top
T12 "FDC606P" SOT95P275X110-6N 171.1,61.5 r0 bottom
T13 "BC847B" SOT95P230X110-3N 137.625,41.75 r270 top
T14 "BC847B" SOT95P230X110-3N 166.7,61.7 r90 bottom
T15 "BSS138LT1G" SOT95P240X110-3N 161.773,6.909 r90 top
T16 "BSS138LT1G" SOT95P240X110-3N 29.9,7.5 r180 bottom
T17 "FQD3N60CTM" TO228P991X239-3N-R552X520 14,90 r270 bottom
T18 "BC847B" SOT95P230X110-3N 13,92 r90 top
T19 "BC857B" SOT95P230X110-3N 45.362,7.84 r270 top
T20 "FQD3P50TM" TO228P991X239-3N-R552X520 45,10 r90 bottom
T21 "SI4425DDY-T1-GE3" SOIC127P600X175-8N 209.7,30.8 r0 bottom
T22 "BC847B" SOT95P230X110-3N 211.9,26 r270 bottom
T23 "BSS138LT1G" SOT95P240X110-3N 190.7,14.6 r0 top
T24 "BSS138LT1G" SOT95P240X110-3N 183.4,7.5 r270 top
T25 "BSS138LT1G" SOT95P240X110-3N 183.7,11.3 r0 top
TP1 "Test Point" TPS127 176.746,12.739 r270 top
TP2 "Test Point" TPS127 174.562,12.713 r270 top
TP3 "Test Point" TPS127 176.746,10.402 r180 top
TP4 "Test Point" TPS127 119.3,85.4 r180 top
TP5 "Test Point" TPS127 132.8,37.4 r270 top
TP7 "Test Point" TPS127 209.6,41.7 r180 top
TP8 "Test Point" TPS127 122.6,53.2 r180 top
TP9 "Test Point" TPS127 132.8,41.6 r180 top
TP10 "Test Point" TPS127 129.362,12.725 r270 top
TP11 "Test Point" TPS127 132.8,38.8 r90 top
TP13 "Test Point" TPS127 122.6,63.8 r270 top
TP14 "Test Point" TPS127 132.8,40.2 r0 top
TP15 "Test Point" TPS127 119.3,83.9 r180 top
TP16 "Test Point" TPS127 132.8,36 r180 top
TP17 "Test Point" TPS127 119.3,82.4 r180 top
TP18 "Test Point" TPS127 119.3,86.9 r180 top
TP19 "Test Point" TPS127 119.3,89.9 r180 top
TP20 "Test Point" TPS127 119.3,88.4 r180 top
TP21 "Test Point" TPS127 132.8,43 r270 top
TP22 "Test Point" TPS127 215.7,41.7 r180 top
TP23 "Test Point" TPS127 135.6,31.1 r180 top
TP24 "Test Point" TPS127 139.1,31.1 r180 top
TP27 "Test Point" TPS127 118.6,97.1 r0 top
U1 "ICE40HX8K-CT256" LATC-caBGA-256 106.8,17.6 r180 top locked

## Footprints (in the part's own frame and the unit in brackets; to place one, negate y for a bottom-side part, rotate by r counter-clockwise, add the part's x,y. Pads: shape width x height; smd on the part's side, far side on the other; paste and mask are expansions set on the pad)
8-CLCC [mm]
  rect 0.7x1.85 smd: 1(-1.521,-2.197) 2(-0.251,-2.197) 3(1.019,-2.197) 5(1.019,2.203) 6(-0.251,2.203) 7(-1.521,2.203)
  rect 1.85x0.7 smd: 4(1.949,0.003)
  rect 2.5x0.7 smd: 8(-2.001,0.003)
  silkscreen extent -2.85,-3.8 2.35,2.6, body extent -2.88,-2.63 2.38,2.63, height 1.55
ADI-RM-8_N [mm] "SOP, 8-Leads, Body 3x3mm, Pitch 0.65mm, IPC Medium Density"
  oval 1.8x0.45 smd: 1(-2.075,0.975) 2(-2.075,0.325) 3(-2.075,-0.325) 4(-2.075,-0.975) 5(2.075,-0.975) 6(2.075,-0.325) 7(2.075,0.325) 8(2.075,0.975)
  silkscreen extent -2.2,-1.6 0.77,1.88, body extent -1.6,-1.6 1.6,1.6, height 1.1
AMPHENOL_10052825-101LF [mm] "72 Contacts, 2mm Pitch, 6 Columns, 4 Pairs per Column, 4 Walls, Right Angle Header"
  round 1.1 hole 0.5: A1(-5,-7.65) A2(-3,-7.75) A3(-1,-7.65) A4(1,-7.75) A5(3,-7.65) A6(5,-7.75) B1(-5,-6.25) B2(-3,-6.35) B3(-1,-6.25) B4(1,-6.35) B5(3,-6.25) B6(5,-6.35) C1(-5,-4.85) C2(-3,-4.95) C3(-1,-4.85) C4(1,-4.95) C5(3,-4.85) C6(5,-4.95) D1(-5,-3.45) D2(-3,-3.55) D3(-1,-3.45) D4(1,-3.55) D5(3,-3.45) D6(5,-3.55) E1(-5,-2.05) E2(-3,-2.15) E3(-1,-2.05) E4(1,-2.15) E5(3,-2.05) E6(5,-2.15) F1(-5,-0.65) F2(-3,-0.75) F3(-1,-0.65) F4(1,-0.75) F5(3,-0.65) F6(5,-0.75) G1(-5,0.75) G2(-3,0.65) G3(-1,0.75) G4(1,0.65) G5(3,0.75) G6(5,0.65) H1(-5,2.15) H2(-3,2.05) H3(-1,2.15) H4(1,2.05) H5(3,2.15) H6(5,2.05) I1(-5,3.55) I2(-3,3.45) I3(-1,3.55) I4(1,3.45) I5(3,3.55) I6(5,3.45) J1(-5,4.95) J2(-3,4.85) J3(-1,4.95) J4(1,4.85) J5(3,4.95) J6(5,4.85) K1(-5,6.35) K2(-3,6.25) K3(-1,6.35) K4(1,6.25) K5(3,6.35) K6(5,6.25) L1(-5,7.75) L2(-3,7.65) L3(-1,7.75) L4(1,7.65) L5(3,7.75) L6(5,7.65)
  silkscreen extent -6.95,-9.7 6.95,11.85, body extent -6.95,-21.95 6.95,11.85, height 15.25